# Altium PCB Layout.PcbDoc (part 2 of 2)
Units mil, origin at the board's own origin, x right, y up, seen from the top; angles counter-clockwise.
Board outline 7070 x 5095 mil, 2 copper layers (Top Layer, Bottom Layer); 207 components, 112 nets, 607 pads, 1005 vias.
Unrouted connection lines stored in the file: 4.
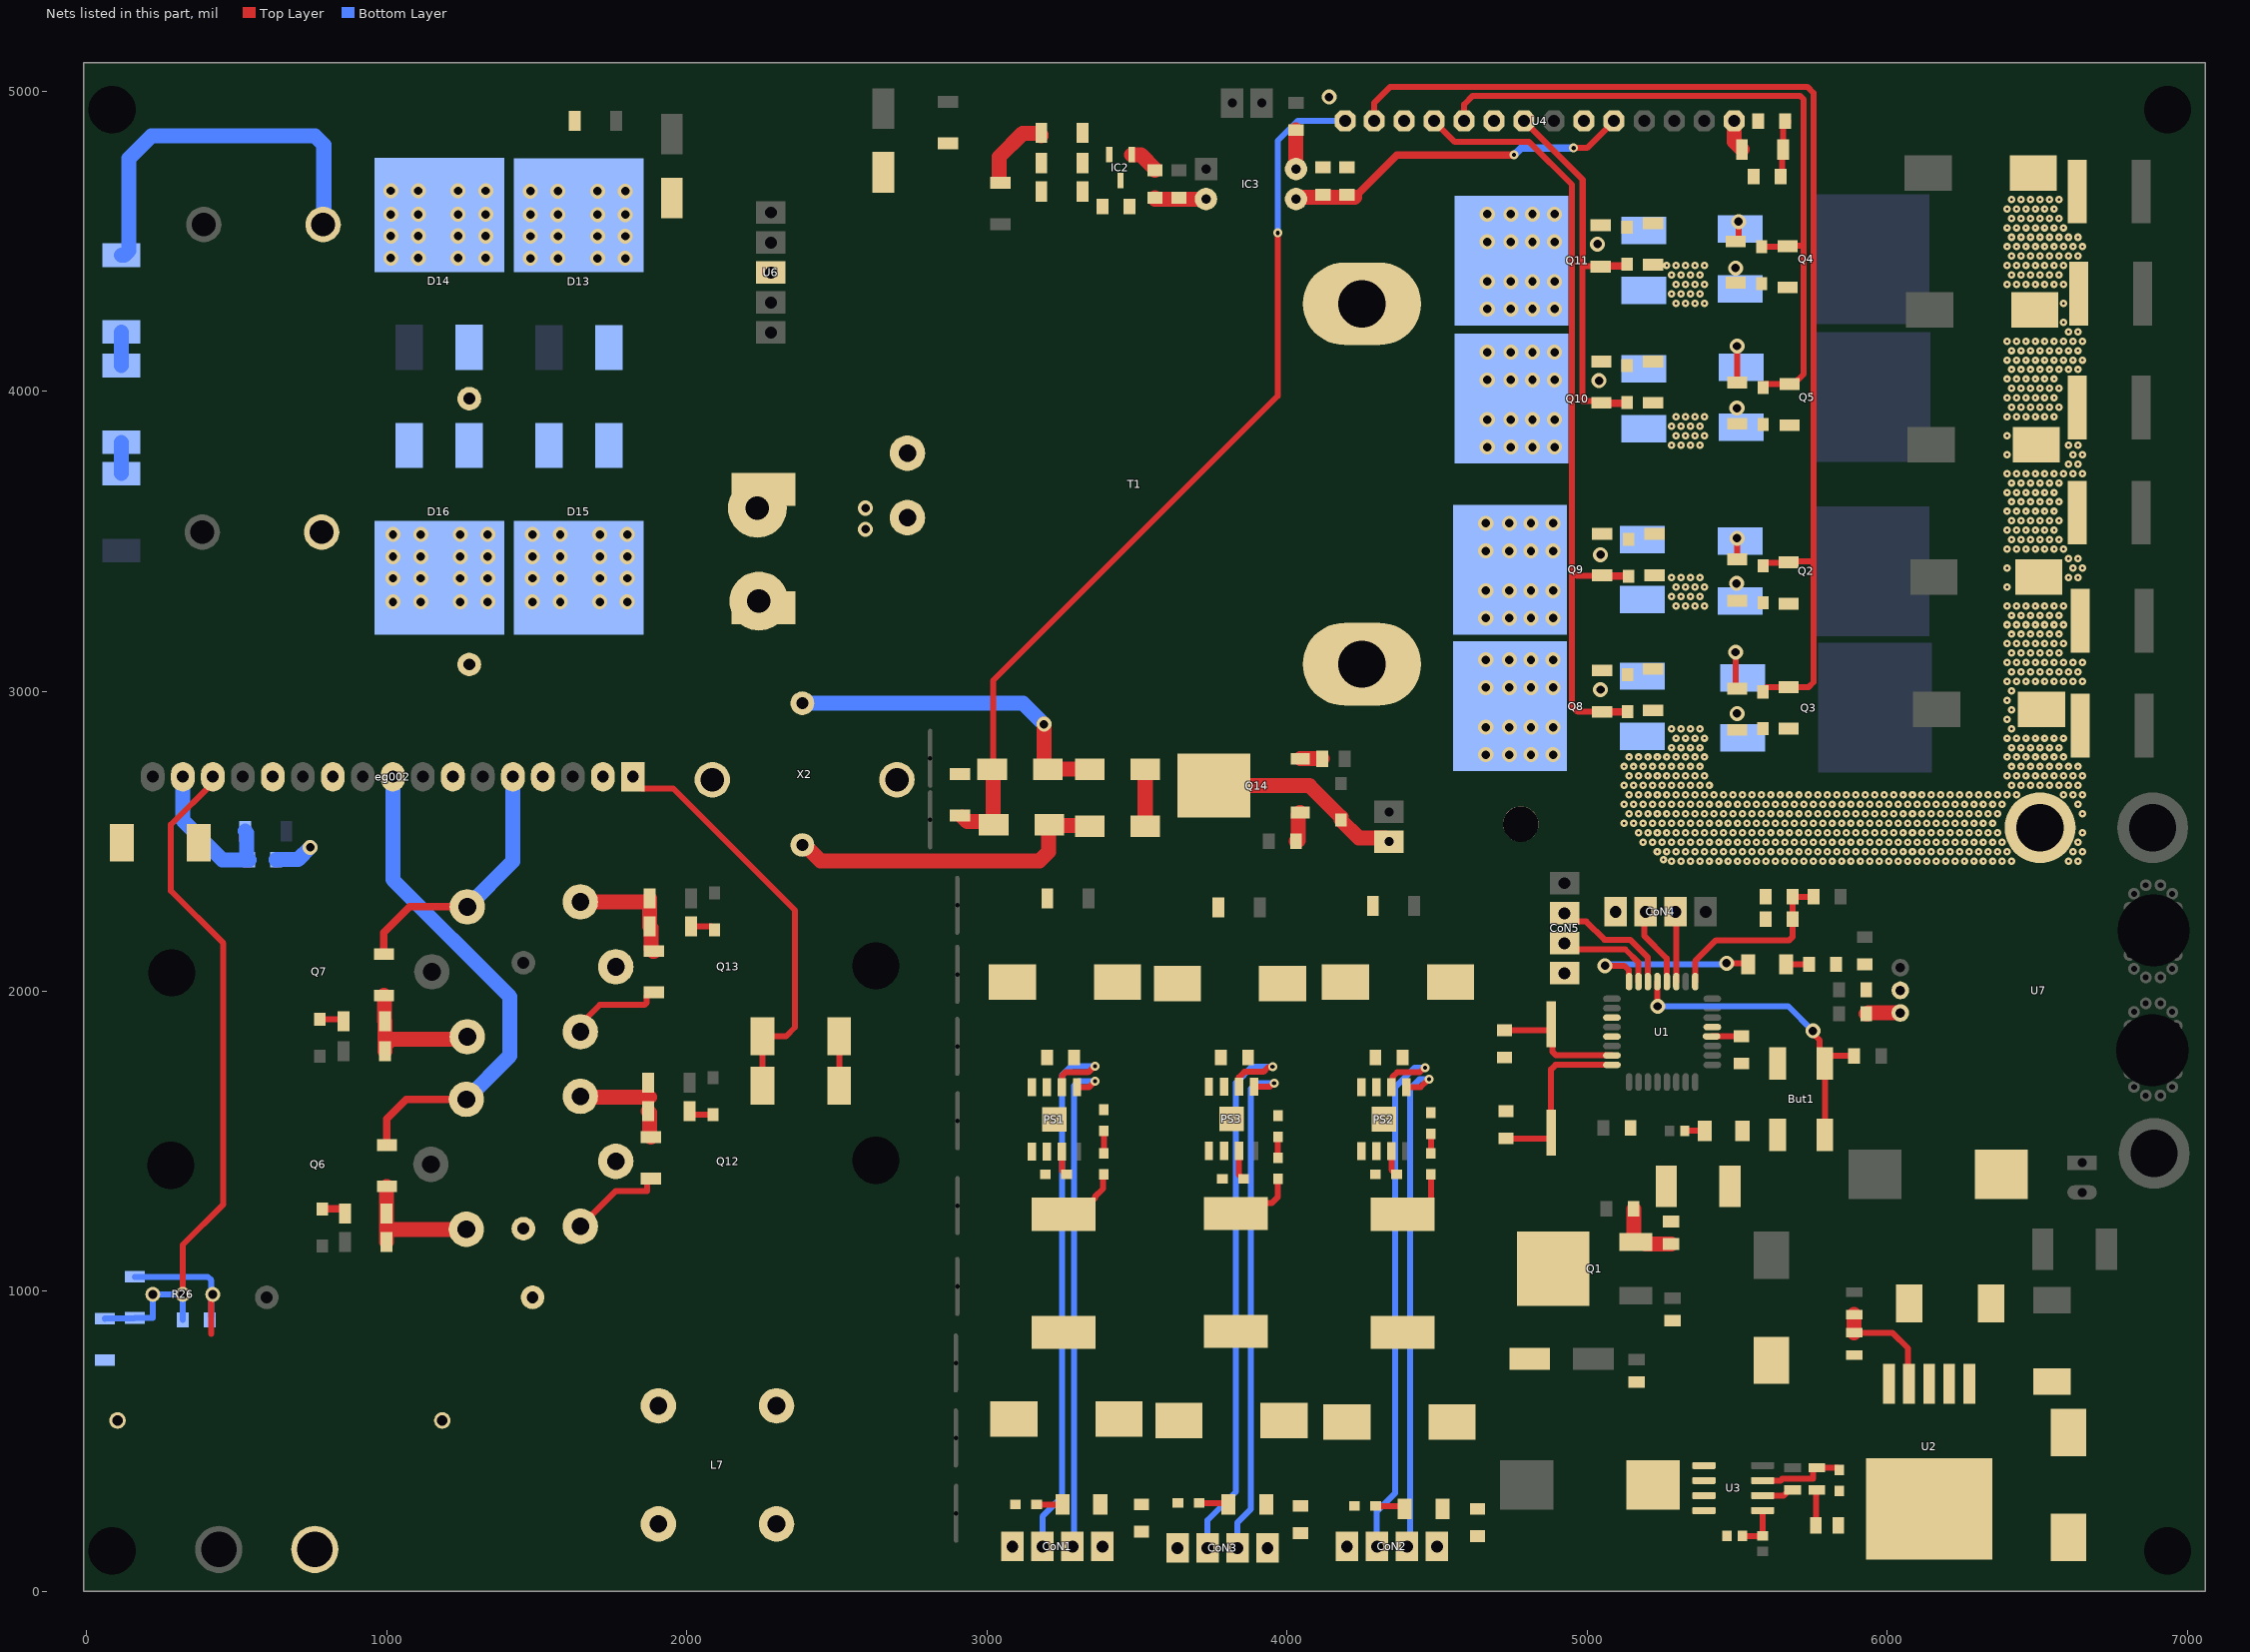
[diagram p2: the nets of this part, all layers, seen from the top]

## Via types
v1: diameter 25/25 (per signal layer), hole 7.87, Top Layer to Bottom Layer, 757 vias
v2: diameter 50, hole 28, Top Layer to Bottom Layer, 224 vias
v3: diameter 30, hole 14, Top Layer to Bottom Layer, 22 vias
v4: diameter 98.43, hole 59.06, Top Layer to Bottom Layer, 2 vias

## Nets (pads, with @x,y where several pads share a name; then routed paths per layer and width w, separated by ;. In a path a pad name is that pad's centre, name@x,y a point inside that pad or via, vN(x,y) a via of type N, cw(c..) or ccw(c..) an arc to the next point about the centre after c; other vN are vias at no path point) (continued)
GND: But1.2 C1.1 C2.2 C3.2 C5.1 C6.2 C7.1 C8.2 C9.1 C11.1 C12.2 C13.1 C14.2 C15.1 C17.1 C18.2 C19.1 C20.2 C21.1 C22.1 C23.1 C24.1 C25.2 C26.1 C27.1 C29.1 C30.1 C31.1 C32.2 C37.2 C38.2 C40.2 C41.2 C42.2 C43.2 C44.2 C45.2 C46.2 C47.2 C48.2 C49.2 C50.2 C51.1 C60.2 C65.2 CoN1.4 CoN2.4 CoN3.4 CoN4.4 CoN5.4 D2.A D3.a D4.a LED5.1 pad.8 pad.12@6510,2545 pad.30@6934.8,134.8 PS1.9 PS2.9 PS3.9 Q1.4 Q8.2 Q9.2 Q10.2 Q11.2 Q14.3 R5.1 R8.1 R11.1 R12.2 R15.1 R19.1 R21.1 R24.1 R24.2 R28.2 R31.1 R53.2 R54.2 R55.2 R56.2 R65.2 U1.3 U1.5 U1.21 U2.3 U2.5 U2.6 U3.7 U3.8 U4.6 U7.2 | length 263.7
  Top Layer w50: D4.a@3527.52,2550 D3.a@3527.52,2740 ; Q14.3@4043.98,2774.76 4044.1,2774.88 4117.48,2774.88 C37.2@4117.6,2775
  other v1: 5281.27,2434.02 5312.77,2434.02 5344.26,2434.02 5375.76,2434.02 5407.26,2434.02 5438.75,2434.02 5470.25,2434.02 5501.74,2434.02 5533.24,2434.02 5564.74,2434.02 5596.23,2434.02 5627.73,2434.02 5659.22,2434.02 5690.72,2434.02 5722.22,2434.02 5753.71,2434.02 5785.21,2434.02 5816.71,2434.02 5848.2,2434.02 5879.7,2434.02 5911.19,2434.02 5942.69,2434.02 5974.19,2434.02 6005.68,2434.02 6037.18,2434.02 6068.67,2434.02 6100.17,2434.02 6131.67,2434.02 6163.16,2434.02 6194.66,2434.02 6226.15,2434.02 6257.65,2434.02 6289.15,2434.02 6320.64,2434.02 6352.14,2434.02 6383.64,2434.02 6415.13,2434.02 6604.11,2434.02 6635.6,2434.02 5254.22,2438.46 5234.03,2465.52 5265.52,2465.52 5297.02,2465.52 5328.52,2465.52 5360.01,2465.52 5391.51,2465.52 5423,2465.52 5454.5,2465.52 5486,2465.52 5517.49,2465.52 5548.99,2465.52 5580.48,2465.52 5611.98,2465.52 5643.48,2465.52 5674.97,2465.52 5706.47,2465.52 5737.96,2465.52 5769.46,2465.52 5800.96,2465.52 5832.45,2465.52 5863.95,2465.52 5895.45,2465.52 5926.94,2465.52 5958.44,2465.52 5989.93,2465.52 6021.43,2465.52 6052.93,2465.52 6084.42,2465.52 6115.92,2465.52 6147.41,2465.52 6178.91,2465.52 6210.41,2465.52 6241.9,2465.52 6273.4,2465.52 6304.89,2465.52 6336.39,2465.52 6367.89,2465.52 6399.38,2465.52 6619.86,2465.52 6651.35,2465.52 5186.78,2497.01 5218.28,2497.01 5249.78,2497.01 5281.27,2497.01 5312.77,2497.01 5344.26,2497.01 5375.76,2497.01 5407.26,2497.01 5438.75,2497.01 5470.25,2497.01 5501.74,2497.01 5533.24,2497.01 5564.74,2497.01 5596.23,2497.01 5627.73,2497.01 5659.22,2497.01 5690.72,2497.01 5722.22,2497.01 5753.71,2497.01 5785.21,2497.01 5816.71,2497.01 5848.2,2497.01 5879.7,2497.01 5911.19,2497.01 5942.69,2497.01 5974.19,2497.01 6005.68,2497.01 6037.18,2497.01 6068.67,2497.01 6100.17,2497.01 6131.67,2497.01 6163.16,2497.01 6194.66,2497.01 6226.15,2497.01 6257.65,2497.01 6289.15,2497.01 6320.64,2497.01 6352.14,2497.01 6383.64,2497.01 6635.6,2497.01 5171.04,2528.51 5202.53,2528.51 5234.03,2528.51 5265.52,2528.51 5297.02,2528.51 5328.52,2528.51 5360.01,2528.51 5391.51,2528.51 5423,2528.51 5454.5,2528.51 5486,2528.51 5517.49,2528.51 5548.99,2528.51 5580.48,2528.51 5611.98,2528.51 5643.48,2528.51 5674.97,2528.51 5706.47,2528.51 5737.96,2528.51 5769.46,2528.51 5800.96,2528.51 5832.45,2528.51 5863.95,2528.51 5895.45,2528.51 5926.94,2528.51 5958.44,2528.51 5989.93,2528.51 6021.43,2528.51 6052.93,2528.51 6084.42,2528.51 6115.92,2528.51 6147.41,2528.51 6178.91,2528.51 6210.41,2528.51 6241.9,2528.51 6273.4,2528.51 6304.89,2528.51 6336.39,2528.51 6367.89,2528.51 6651.35,2528.51 5123.79,2560 5155.29,2560 5186.78,2560 5218.28,2560 5249.78,2560 5281.27,2560 5312.77,2560 5344.26,2560 5375.76,2560 5407.26,2560 5438.75,2560 5470.25,2560 5501.74,2560 5533.24,2560 5564.74,2560 5596.23,2560 5627.73,2560 5659.22,2560 5690.72,2560 5722.22,2560 5753.71,2560 5785.21,2560 5816.71,2560 5848.2,2560 5879.7,2560 5911.19,2560 5942.69,2560 5974.19,2560 6005.68,2560 6037.18,2560 6068.67,2560 6100.17,2560 6131.67,2560 6163.16,2560 6194.66,2560 6226.15,2560 6257.65,2560 6289.15,2560 6320.64,2560 6352.14,2560 5139.54,2591.5 5171.04,2591.5 5202.53,2591.5 5234.03,2591.5 5265.52,2591.5 5297.02,2591.5 5328.52,2591.5 5360.01,2591.5 5391.51,2591.5 5423,2591.5 5454.5,2591.5 5486,2591.5 5517.49,2591.5 5548.99,2591.5 5580.48,2591.5 5611.98,2591.5 5643.48,2591.5 5674.97,2591.5 5706.47,2591.5 5737.96,2591.5 5769.46,2591.5 5800.96,2591.5 5832.45,2591.5 5863.95,2591.5 5895.45,2591.5 5926.94,2591.5 5958.44,2591.5 5989.93,2591.5 6021.43,2591.5 6052.93,2591.5 6084.42,2591.5 6115.92,2591.5 6147.41,2591.5 6178.91,2591.5 6210.41,2591.5 6241.9,2591.5 6273.4,2591.5 6304.89,2591.5 6336.39,2591.5 6367.89,2591.5 6651.35,2591.5 5123.79,2623 5155.29,2623 5186.78,2623 5218.28,2623 5249.78,2623 5281.27,2623 5312.77,2623 5344.26,2623 5375.76,2623 5407.26,2623 5438.75,2623 5470.25,2623 5501.74,2623 5533.24,2623 5564.74,2623 5596.23,2623 5627.73,2623 5659.22,2623 5690.72,2623 5722.22,2623 5753.71,2623 5785.21,2623 5816.71,2623 5848.2,2623 5879.7,2623 5911.19,2623 5942.69,2623 5974.19,2623 6005.68,2623 6037.18,2623 6068.67,2623 6100.17,2623 6131.67,2623 6163.16,2623 6194.66,2623 6226.15,2623 6257.65,2623 6289.15,2623 6320.64,2623 6352.14,2623 6383.64,2623 6635.6,2623 5139.54,2654.49 5171.04,2654.49 5202.53,2654.49 5234.03,2654.49 5265.52,2654.49 5297.02,2654.49 5328.52,2654.49 5360.01,2654.49 5391.51,2654.49 5423,2654.49 5454.5,2654.49 5486,2654.49 5517.49,2654.49 5548.99,2654.49 5580.48,2654.49 5611.98,2654.49 5643.48,2654.49 5674.97,2654.49 5706.47,2654.49 5737.96,2654.49 5769.46,2654.49 5800.96,2654.49 5832.45,2654.49 5863.95,2654.49 5895.45,2654.49 5926.94,2654.49 5958.44,2654.49 5989.93,2654.49 6021.43,2654.49 6052.93,2654.49 6084.42,2654.49 6115.92,2654.49 6147.41,2654.49 6178.91,2654.49 6210.41,2654.49 6241.9,2654.49 6273.4,2654.49 6304.89,2654.49 6336.39,2654.49 6367.89,2654.49 6399.38,2654.49 6430.88,2654.49 6588.36,2654.49 6619.86,2654.49 6651.35,2654.49 5123.79,2685.99 5155.29,2685.99 5186.78,2685.99 5218.28,2685.99 5249.78,2685.99 5281.27,2685.99 5312.77,2685.99 5344.26,2685.99 5375.76,2685.99 5407.26,2685.99 6415.13,2685.99 6446.63,2685.99 6478.12,2685.99 6509.62,2685.99 6541.12,2685.99 6572.61,2685.99 6604.11,2685.99 6635.6,2685.99 5139.54,2717.49 5171.04,2717.49 5202.53,2717.49 5234.03,2717.49 5265.52,2717.49 5297.02,2717.49 5328.52,2717.49 5360.01,2717.49 5391.51,2717.49 6399.38,2717.49 6430.88,2717.49 6462.38,2717.49 6493.87,2717.49 6525.37,2717.49 6556.86,2717.49 6588.36,2717.49 6619.86,2717.49 6651.35,2717.49 5123.79,2748.98 5155.29,2748.98 5186.78,2748.98 5218.28,2748.98 5249.78,2748.98 5281.27,2748.98 5312.77,2748.98 5344.26,2748.98 5375.76,2748.98 6415.13,2748.98 6446.63,2748.98 6478.12,2748.98 6509.62,2748.98 6541.12,2748.98 6572.61,2748.98 6604.11,2748.98 6635.6,2748.98 5139.54,2780.48 5171.04,2780.48 5202.53,2780.48 5234.03,2780.48 5265.52,2780.48 5297.02,2780.48 5328.52,2780.48 5360.01,2780.48 5391.51,2780.48 6399.38,2780.48 6430.88,2780.48 6462.38,2780.48 6493.87,2780.48 6525.37,2780.48 6556.86,2780.48 6588.36,2780.48 5281.27,2811.97 5312.77,2811.97 5344.26,2811.97 5375.76,2811.97 6415.13,2811.97 6446.63,2811.97 6478.12,2811.97 6509.62,2811.97 6541.12,2811.97 6572.61,2811.97 5297.02,2843.47 5328.52,2843.47 5360.01,2843.47 5391.51,2843.47 6399.38,2843.47 6430.88,2843.47 6462.38,2843.47 6493.87,2843.47 6525.37,2843.47 6556.86,2843.47 6588.36,2843.47 5281.27,2874.97 5312.77,2874.97 5344.26,2874.97 5375.76,2874.97 6415.13,2874.97 6399.38,2906.46 6415.13,2937.96 6399.38,2969.45 6415.13,3000.95 6399.38,3032.45 6430.88,3032.45 6462.38,3032.45 6493.87,3032.45 6525.37,3032.45 6556.86,3032.45 6588.36,3032.45 6619.86,3032.45 6651.35,3032.45 6415.13,3063.94 6446.63,3063.94 6478.12,3063.94 6509.62,3063.94 6541.12,3063.94 6572.61,3063.94 6604.11,3063.94 6635.6,3063.94 6399.38,3095.44 6430.88,3095.44 6462.38,3095.44 6493.87,3095.44 6525.37,3095.44 6556.86,3095.44 6588.36,3095.44 6619.86,3095.44 6651.35,3095.44 6415.13,3126.93 6446.63,3126.93 6478.12,3126.93 6509.62,3126.93 6541.12,3126.93 6572.61,3126.93 6399.38,3158.43 6430.88,3158.43 6462.38,3158.43 6493.87,3158.43 6525.37,3158.43 6556.86,3158.43 6588.36,3158.43 6415.13,3189.93 6446.63,3189.93 6478.12,3189.93 6509.62,3189.93 6541.12,3189.93 6572.61,3189.93 6399.38,3221.42 6430.88,3221.42 6462.38,3221.42 6493.87,3221.42 6525.37,3221.42 6556.86,3221.42 6588.36,3221.42 6415.13,3252.92 6446.63,3252.92 6478.12,3252.92 6509.62,3252.92 6541.12,3252.92 6572.61,3252.92 5297.02,3284.41 5328.52,3284.41 5360.01,3284.41 5391.51,3284.41 6399.38,3284.41 6430.88,3284.41 6462.38,3284.41 6493.87,3284.41 6525.37,3284.41 6556.86,3284.41 6588.36,3284.41 5281.27,3315.91 5312.77,3315.91 5344.26,3315.91 5375.76,3315.91 5297.02,3347.41 5328.52,3347.41 5360.01,3347.41 5391.51,3347.41 6399.38,3347.41 5281.27,3378.9 5312.77,3378.9 5344.26,3378.9 5375.76,3378.9 6604.11,3378.9 6635.6,3378.9 6399.38,3410.4 6619.86,3410.4 6651.35,3410.4 6604.11,3441.9 6635.6,3441.9 6399.38,3473.39 6430.88,3473.39 6462.38,3473.39 6493.87,3473.39 6525.37,3473.39 6556.86,3473.39 6588.36,3473.39 6415.13,3504.89 6446.63,3504.89 6478.12,3504.89 6509.62,3504.89 6541.12,3504.89 6572.61,3504.89 6399.38,3536.38 6430.88,3536.38 6462.38,3536.38 6493.87,3536.38 6525.37,3536.38 6556.86,3536.38 6415.13,3567.88 6446.63,3567.88 6478.12,3567.88 6509.62,3567.88 6541.12,3567.88 6572.61,3567.88 6399.38,3599.38 6430.88,3599.38 6462.38,3599.38 6493.87,3599.38 6525.37,3599.38 6556.86,3599.38 6415.13,3630.87 6446.63,3630.87 6478.12,3630.87 6509.62,3630.87 6541.12,3630.87 6572.61,3630.87 6399.38,3662.37 6430.88,3662.37 6462.38,3662.37 6493.87,3662.37 6525.37,3662.37 6556.86,3662.37 6415.13,3693.86 6446.63,3693.86 6478.12,3693.86 6509.62,3693.86 6541.12,3693.86 6572.61,3693.86 6399.38,3725.36 6430.88,3725.36 6462.38,3725.36 6493.87,3725.36 6525.37,3725.36 6556.86,3725.36 6588.36,3725.36 6619.86,3725.36 6651.35,3725.36 6604.11,3756.86 6635.6,3756.86 6399.38,3788.35 6619.86,3788.35 6651.35,3788.35 5281.27,3819.85 5312.77,3819.85 5344.26,3819.85 5375.76,3819.85 6604.11,3819.85 6635.6,3819.85 5297.02,3851.34 5328.52,3851.34 5360.01,3851.34 5391.51,3851.34 6399.38,3851.34 5281.27,3882.84 5312.77,3882.84 5344.26,3882.84 5375.76,3882.84 5297.02,3914.34 5328.52,3914.34 5360.01,3914.34 5391.51,3914.34 6399.38,3914.34 6430.88,3914.34 6462.38,3914.34 6493.87,3914.34 6525.37,3914.34 6556.86,3914.34 6415.13,3945.83 6446.63,3945.83 6478.12,3945.83 6509.62,3945.83 6541.12,3945.83 6572.61,3945.83 6399.38,3977.33 6430.88,3977.33 6462.38,3977.33 6493.87,3977.33 6525.37,3977.33 6556.86,3977.33 6415.13,4008.83 6446.63,4008.83 6478.12,4008.83 6509.62,4008.83 6541.12,4008.83 6572.61,4008.83 6399.38,4040.32 6430.88,4040.32 6462.38,4040.32 6493.87,4040.32 6525.37,4040.32 6556.86,4040.32 6415.13,4071.82 6446.63,4071.82 6478.12,4071.82 6509.62,4071.82 6541.12,4071.82 6572.61,4071.82 6604.11,4071.82 6635.6,4071.82 6399.38,4103.31 6430.88,4103.31 6462.38,4103.31 6493.87,4103.31 6525.37,4103.31 6556.86,4103.31 6588.36,4103.31 6619.86,4103.31 6651.35,4103.31 6415.13,4134.81 6446.63,4134.81 6478.12,4134.81 6509.62,4134.81 6541.12,4134.81 6572.61,4134.81 6604.11,4134.81 6635.6,4134.81 6399.38,4166.31 6430.88,4166.31 6462.38,4166.31 6493.87,4166.31 6525.37,4166.31 6556.86,4166.31 6588.36,4166.31 6619.86,4166.31 6651.35,4166.31 6604.11,4197.8 6635.6,4197.8 6588.36,4229.3 5297.02,4292.29 5328.52,4292.29 5360.01,4292.29 5391.51,4292.29 6588.36,4292.29 5281.27,4323.79 5312.77,4323.79 5344.26,4323.79 5375.76,4323.79 5297.02,4355.28 5328.52,4355.28 5360.01,4355.28 5391.51,4355.28 6399.38,4355.28 6430.88,4355.28 6462.38,4355.28 6493.87,4355.28 6525.37,4355.28 6556.86,4355.28 6588.36,4355.28 5281.27,4386.78 5312.77,4386.78 5344.26,4386.78 5375.76,4386.78 6415.13,4386.78 6446.63,4386.78 6478.12,4386.78 6509.62,4386.78 6541.12,4386.78 6572.61,4386.78 5265.52,4418.27 5297.02,4418.27 5328.52,4418.27 5360.01,4418.27 5391.51,4418.27 6399.38,4418.27 6430.88,4418.27 6462.38,4418.27 6493.87,4418.27 6525.37,4418.27 6556.86,4418.27 6588.36,4418.27 6415.13,4449.77 6446.63,4449.77 6478.12,4449.77 6509.62,4449.77 6541.12,4449.77 6572.61,4449.77 6604.11,4449.77 6635.6,4449.77 6399.38,4481.27 6430.88,4481.27 6462.38,4481.27 6493.87,4481.27 6525.37,4481.27 6556.86,4481.27 6588.36,4481.27 6619.86,4481.27 6651.35,4481.27 6415.13,4512.76 6446.63,4512.76 6478.12,4512.76 6509.62,4512.76 6541.12,4512.76 6572.61,4512.76 6604.11,4512.76 6635.6,4512.76 6399.38,4544.26 6430.88,4544.26 6462.38,4544.26 6493.87,4544.26 6525.37,4544.26 6556.86,4544.26 6588.36,4544.26 6415.13,4575.76 6446.63,4575.76 6478.12,4575.76 6509.62,4575.76 6541.12,4575.76 6572.61,4575.76 6399.38,4607.25 6430.88,4607.25 6462.38,4607.25 6493.87,4607.25 6525.37,4607.25 6556.86,4607.25 6415.13,4638.75 6446.63,4638.75 6478.12,4638.75 6509.62,4638.75 6541.12,4638.75 6572.61,4638.75
  other v2: 4140,4980
GND2: C28.1 C33.2 C55.2 C56.2 C66.1 C67.2 C68.2 C69.1 C70.1 D15.1 D16.1 eg002.2 eg002.4 eg002.7 eg002.11 eg002.13 IC2.3 R22.2 R26.1 R45.1 R61.1 R62.1 R70.1 R71.1 R78.1 R78.2 U6.3 | length 2100.5
  Top Layer w20: 415,858.97 R26.1@415,983.95 ; R61.1@2507.95,1685 R62.1@2507.95,1850
  Bottom Layer w20: R22.2@160,1048.9 403.28,1048.9 415,1037.18 C28.1@415,915.88
  Bottom Layer w50: R45.1@115,4452.95 125.63,4452.95 140,4467.32 140,4775 215,4850 760.71,4850 790,4820.71 790,4557.36 C70.1@787.64,4555 ; C33.2@631.38,2438.4 631.97,2438.99 703.99,2438.99 v2(745,2480)
  other v2: 1020.47,3297.44 1112.99,3297.44 1244.88,3297.44 1336.42,3297.44 1485.47,3297.44 1577.99,3297.44 1709.88,3297.44 1801.42,3297.44 1020.47,3376.18 1112.99,3376.18 1244.88,3376.18 1336.42,3376.18 1485.47,3376.18 1577.99,3376.18 1709.88,3376.18 1801.42,3376.18 1020.47,3448.03 1112.99,3448.03 1244.88,3448.03 1336.42,3448.03 1485.47,3448.03 1577.99,3448.03 1709.88,3448.03 1801.42,3448.03 1020.47,3521.85 1112.99,3521.85 1244.88,3521.85 1336.42,3521.85 1485.47,3521.85 1577.99,3521.85 1709.88,3521.85 1801.42,3521.85
HO1: D11.k D12.k R35.1 R36.1 U4.10 | length 2408.3
  Top Layer w20: U4.10@4590,4900 4590,4955 4619.05,4984.05 5709.74,4984.05 5721.46,4972.33 5721.46,4483.71 5721.46,4056.58 5688.78,4023.9 5595.67,4023.9 5586.97,4015.2 D12.k@5586.97,4012.46 ; D11.k@5581.96,4481.26 5667.99,4481.26 5670.45,4483.71 5715.74,4483.71
HO2: D9.k D10.k R33.1 R34.1 U4.13 | length 3878.9
  Top Layer w20: U4.13@4290,4900 4290,4960 4344.25,5014.25 5734.02,5014.25 5755,4993.27 5755,3433.45 ; D10.k@5585.78,2997.59 5585.78,3000.54 5598.86,3013.62 R34.1@5671.46,3013.62 5738.62,3013.62 5755,3030 5755,3433.45 ; D9.k@5586.97,3417.46 5586.97,3418.28 5595.67,3426.98 5669.36,3426.98 5675.84,3433.45 5755,3433.45
IFBCOM: C34.1 C35.1 eg002.1 Q12.3 Q13.3 R61.2 R62.2 R76.1 R77.1 | length 2053.3
  Top Layer w20: Q12.3@1645,1216.93 1763.07,1335 1868.28,1335 1868.28,1366.42 1877.97,1376.1 R76.1@1880,1376.1 ; Q13.3@1645,1865 1645,1890 1710,1955 1860,1955 1866.54,1961.54 1866.54,1986.42 1876.22,1996.1 R77.1@1890,1996.1 ; eg002.1@1820,2715 1820,2705.16 1849.37,2675.79 1954.21,2675.79 2360,2270 2360,1880 2330,1850 R62.2@2252.05,1850 R61.2@2252.05,1685
LO1: D19.k D20.k R49.1 R50.1 U4.8 | length 1315.5
  Top Layer w20: U4.8@4790,4900 4985.27,4704.73 4985.27,4416.1 ; R50.1@5035.72,4416.82 5035,4416.1 4985,4416.1 4985,3966.72 5034.39,3966.72 5042.15,3966.72 R49.1@5047.91,3960.96
  Top Layer w25: R49.1@5034.39,3966.72 5041.78,3959.32 5126.25,3959.32 D19.k@5128.03,3957.54 ; R50.1@5035.72,4416.82 5122.31,4416.82 D20.k@5123.03,4417.54
LO2: D17.k D18.k R47.1 R48.1 U4.11 | length 2674
  Top Layer w20: U4.11@4490,4900 4559.55,4830.45 4807.03,4830.45 4950,4687.47 4950,3400 ; R47.1@5050,2931.1 4968.9,2931.1 4950,2950 4950,3400 ; R48.1@5051.78,3384.32 4965.68,3384.32 4950,3400
  Top Layer w25: R47.1@5050,2931.1 5050.43,2931.54 5134.57,2931.54 D17.k@5135,2931.97 ; R48.1@5051.78,3384.32 5136.25,3384.32 D18.k@5138.03,3382.54
NetBut1_1: But1.1 R13.1 U1.29 | length 1108.9
  Top Layer w20: U1.29@5234.25,2032.32 5234.57,2032.01 5234.57,1950.43 v2(5235,1950) ; v2(5752.51,1868.1) 5752.51,1859.99 5774.92,1837.58 5774.92,1777.56 But1.1@5792.48,1760 ; But1.1@5792.48,1521.81 But1.1@5792.48,1760 ; R13.1@5889.72,1785 5810.04,1785 5792.48,1767.44 But1.1@5792.48,1760
  Bottom Layer w20: v2(5235,1950) 5670.62,1950 v2(5752.51,1868.1)
NetC2_1: C2.1 D1.C U2.1
NetC4_1: C4.1 PS1.3 | length 84
  Top Layer w20: PS1.3@3250,1466.46 3250,1403.46 3263.46,1390 C4.1@3265.43,1390
NetC4_2: C4.2 L2.2 PS1.1 PS1.2 R4.2 | length 218.6
  Top Layer w20: L2.2@3255,1256.85 3306.18,1256.85 3360,1310.67 3360,1315 3386.85,1341.85 3386.85,1386.42 R4.2@3390,1389.57
NetC6_1: C6.1 C7.2 PS1.7 R3.2
NetC9_2: C9.2 R4.1 | length 74.1
  Top Layer w20: R4.1@3390,1460.43 C9.2@3390,1534.57
NetC10_1: C10.1 PS2.3 | length 85.2
  Top Layer w20: PS2.3@4348.02,1466.83 4348.02,1405.45 4363.46,1390 C10.1@4365.43,1390
NetC10_2: C10.2 L3.2 PS2.1 PS2.2 R7.2 | length 201.3
  Top Layer w20: L3.2@4385,1256.85 4434.88,1256.85 4480,1301.97 R7.2@4480,1389.57
NetC12_1: C12.1 C13.2 PS2.7 R6.2
NetC15_2: C15.2 R7.1 | length 64.1
  Top Layer w20: R7.1@4480,1460.43 C15.2@4480,1524.57
NetC16_1: C16.1 PS3.3 | length 100.8
  Top Layer w20: PS3.3@3840,1468.23 3840,1388.46 3853.46,1375 C16.1@3855.43,1375
NetC16_2: C16.2 L4.2 PS3.1 PS3.2 R10.2 | length 222.3
  Top Layer w20: L4.2@3830,1260 3865,1295 3950,1295 3970,1315 R10.2@3970,1374.57
NetC18_1: C18.1 C19.2 PS3.7 R9.2
NetC21_2: C21.2 R10.1 | length 69.1
  Top Layer w20: R10.1@3970,1445.43 C21.2@3970,1514.57
NetC24_2: C24.2 R14.1 R15.2 U1.25 | length 629.4
  Top Layer w20: U1.25@5360.24,2032.32 5360.24,2100.24 5430,2170 5673.56,2170 5685.28,2181.72 C24.2@5685.28,2240 R15.2@5685.28,2315 R14.1@5754.72,2315
NetC25_1: C25.1 U1.20 | length 100.1